# Allegro board WeChat_ZM_PART_20200601.brd (continued)
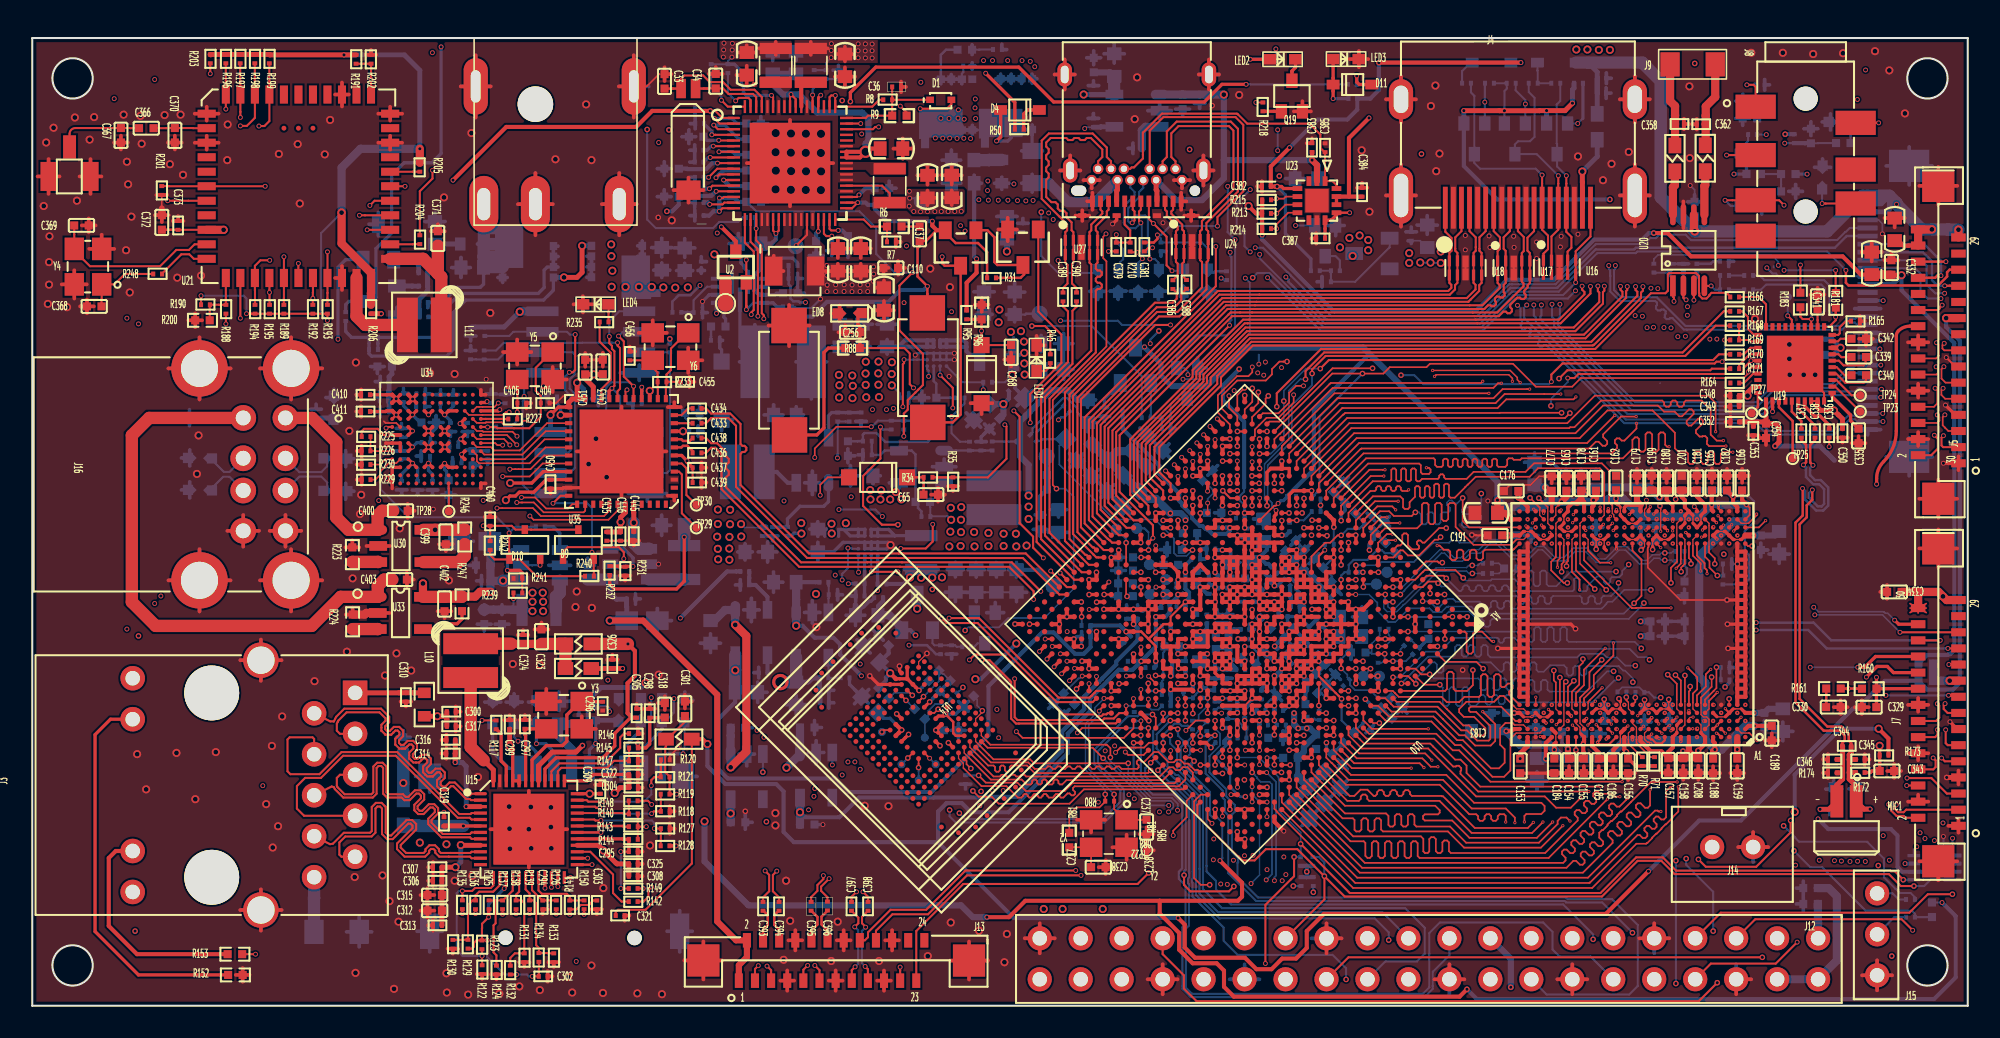
[diagram p0: board, top side]
## Routing (per net, layer and track width the routed paths; a pad name or vN(x,y) marks a point on that pad's centre or on a via; arc(x,y) is an arc through that point) (continued)
VCCA3V0_CODEC: length 114.4
  TOP w0.127: U1.14 v1(42.41,50.5)
  TOP w0.254: U19.1 107.49,36.53 107.49,36.53
  TOP w0.305: 106.71,36.2 107.39,36.2 C354.1 ; 106.71,36.2 C352.1 ; 106.71,36.2 C353.1 ; C354.1 108.08,36.1 108.31,35.87 108.31,34.96 v2(108.05,34.7) ; C354.1 107.49,36.53
  SIG1 w0.254: v2(50.22,56.12) 49.63,55.54 46.09,55.54 45.13,56.5 41.11,56.5 38.28,53.67 38.28,53.37 37.97,53.07 37.97,50.63 v2(39.34,49.26) ; v2(103.07,58.43) 104.55,56.95 104.55,48.9 105.54,47.91 105.54,37.22 v2(108.05,34.7)
  SIG2 w0.254: v2(103.07,58.43) 94.47,58.43 94.35,58.3 94.31,58.3 94.03,58.02 75.29,58.02 74.47,58.83 63.58,58.83 62.15,57.41 58.75,57.41 58.34,57.82 51.24,57.82 50.22,56.8 v2(50.22,56.12)
  BOTTOM w0.254: v2(39.34,49.26) 39.67,49.26 40.08,49.66 C22.1 40.59,50.17 40.63,50.21 42.01,50.21 42.02,50.22 42.11,50.22 42.39,50.5 v1(42.41,50.5)
  BOTTOM w0.305: v2(108.05,34.7) 110.83,34.7 111.25,34.29 111.26,34.29 111.73,33.81
VCCQ: length 14.5
  TOP w0.203: U35.33 31.68,33.12 30.97,32.41 v5(29.63,32.41)
  TOP w0.305: C435.1 36.47,29.38 C446.1 v5(36.47,29.99) 36.47,30.28 36.78,30.59 36.78,31.09 U35.43
  SIG2 w0.254: v5(36.47,29.99) 32.93,29.99 30.51,32.41 v5(29.63,32.41)
VDD1V0_RGMII: length 8.7
  TOP w0.305: 29.7,22.44 C324.1 31.04,22.44 31.04,22.43
  TOP w0.508: C323.1 29.71,22.43 29.69,22.45
  TOP w0.762: FB3.1 FB1.1 C323.1 ; 29.69,22.45 L10.2
VDD09: length 32
  TOP w0.127: R239.2 v1(29.83,25.24)
  TOP w0.152: U34.C10 23.32,33.39 v1(23.58,33.64) ; v1(23.58,33.64) 23.81,33.4 U34.C9 ; v1(23.58,33.64) 23.33,33.89 U34.D10
  TOP w0.203: U34.K9 23.57,36.64 v1(23.57,36.64) ; 23.57,35.64 U34.G10 ; 23.57,35.64 v1(23.57,35.64) ; 23.57,35.64 23.56,35.64 U34.H10 ; U34.K8 24.56,36.64 v1(24.57,36.64) 24.57,36.64 U34.K7 ; U34.E10 23.57,34.64 v1(23.57,34.64) 23.57,34.64 23.32,34.89 U34.F10 ; v1(23.57,36.64) 23.32,36.89 U34.K10 ; v1(23.57,36.64) 23.57,36.64 U34.J10 ; U34.K6 25.56,36.64 v1(25.57,36.64) U34.K5 U34.K4 ; U34.E3 26.82,34.38 v1(26.62,34.19) 26.62,34.08 U34.D3 ; U34.C8 24.31,33.39 24.56,33.64 v1(24.56,33.64) 24.61,33.59 24.61,33.59 U34.C7 ; v1(26.52,36.09) 26.52,36.09 ; 26.52,36.09 26.61,36.09 U34.H3 ; 26.52,36.09 U34.J3 ; U34.C6 25.32,33.39 25.56,33.63 v1(25.56,33.63) 25.58,33.61 25.59,33.61 U34.C5 U34.C4 ; v1(28.2,37.46) 28.14,37.4 27.83,37.4 U34.L1 ; v1(23.58,33.64) 23.57,33.64 ; U34.F3 v1(26.57,35.14) U34.G3
  BOTTOM w0.127: 29.95,24.55 29.83,24.67 v1(29.83,25.24) ; 30.34,24.58 30.36,24.56
  BOTTOM w0.203: C426.1 23.19,35.25 v1(23.57,35.64) ; C425.1 24.66,33.74 v1(24.56,33.64) 24.56,33.2 24.81,32.95 C431.1 ; C419.1 27.99,34.41 27.96,34.39 C417.1 27.23,34.46 26.89,34.46 v1(26.62,34.19) 26.62,33.67 C430.1 ; C427.1 23.89,33.32 v1(23.58,33.64) ; C406.1 28.45,37.39 28.28,37.39 v1(28.2,37.46) ; v1(23.58,33.64) 22.9,32.97 C432.1 ; v1(23.58,33.64) 23.31,33.91 22.91,33.91 C428.1 ; v1(25.57,36.64) 26.11,37.18 C421.1 ; v1(25.57,36.64) 25.92,36.28 C423.1 ; v1(25.57,36.64) 25.3,36.9 25.3,37.32 C420.1 ; v1(25.56,33.63) 25.56,33.25 25.69,33.13 25.69,32.7 C418.1 ; v1(23.57,34.64) 23.84,34.91 C407.1 ; C408.1 24.04,36.17 v1(23.57,36.64) 23.02,37.19 C429.1 ; C422.1 26.93,36.09 v1(26.52,36.09) ; v1(26.57,35.14) 26.41,34.98 C424.1
  BOTTOM w0.229: C459.1 28.02,24.86 ; C459.1 27.72,24.56 ; C459.1 28.02,24.26 ; 30.37,25.6 L13.2 30.77,24.55 ; 29.12,24.86 C458.1 29.12,24.26
  BOTTOM w0.508: L13.2 29.76,24.55 29.76,24.56 C458.1 28.62,24.56 28.62,24.56 C459.1
  BOTTOM w0.762: 30.36,24.56 L13.2 ; 28.02,24.56 C459.1
  vias: v5(31.01,25.61) v5(31.01,25.05) v5(31.01,24.47) v5(31.65,25.61) v5(31.67,25.05) v5(31.67,24.47)
VDD_CENTER: length 21.2
  TOP w0.127: L2.1 53.16,50.37 52.69,50.85 U1.39
  TOP w0.229: C8.1 57.01,50.55 ; C8.1 57.51,50.1 ; C8.1 57.01,49.65 ; C8.1 56.51,50.1 ; 55,50.09 C7.1 ; C7.1 55.5,50.54 ; C7.1 55.5,49.64 ; C7.1 56.01,50.09
  TOP w0.254: U10.M15 77.47,22.28 77.47,22.74 77.93,22.74 U10.M14 77.93,22.74 v2(77.93,23.2) 78.39,23.2 U10.M13 78.39,23.23 78.39,23.23 78.39,23.66 ; v2(78.85,24.12) U10.M11 79.34,24.12 79.77,24.12 ; v2(78.85,24.12) 78.85,23.66 U10.M12 78.56,23.66 78.39,23.66 ; v2(78.85,24.12) 78.85,24.57 U10.N11 78.85,24.55 78.85,24.55 ; v2(78.85,24.12) U10.N12 78.39,23.66 78.39,23.66 ; U10.P15 76.55,23.23 76.55,23.23 v2(76.55,23.66) 77.01,23.66 U10.P14 77.01,23.69 77.01,23.69 77.01,24.12 U10.P13 77.47,24.15 77.47,24.15
  BOTTOM w0.127: v1(54.4,50.07) 54.97,50.07 TP1.1
  BOTTOM w0.203: v2(77.93,23.2) 77.62,22.89 C126.1 ; C130.1 78.85,23.81 v2(78.85,24.12)
  BOTTOM w0.254: C128.1 77.17,22.15 v2(77.03,22.29) 77.24,22.5 77.24,22.51 77.47,22.74 ; C99.1 77.98,23.2 v2(77.93,23.2) ; C127.1 76.55,23.63 v2(76.55,23.66) ; 79.77,24.12 79.77,24.09 C129.1 C130.1 ; C125.1 60.85,47.96 C131.1
  BOTTOM w0.381: C125.1 v5(60.43,46.77)
  vias: v1(54.38,50.5) v1(54.37,49.58) v1(54.65,49.24) v1(55.07,49.23) v1(55.5,49.23) v1(55.96,49.24) v1(56.36,49.25) v1(56.78,49.24) v1(57.19,49.24) v1(57.6,49.25)
VDD_CPU_B: length 39.9
  TOP w0.254: U10.M22 74.41,19.06 74.41,19.06 v2(74.71,19.06) 75.17,19.06 ; U10.M21 74.71,19.52 v2(74.71,19.98) ; U10.M21 74.7,19.52 v2(74.28,19.52) U10.N22 ; U10.M21 74.71,19.52 v2(75.17,19.52) 75.17,19.07 75.17,19.06 ; v2(76.56,20) 76.56,20.44 U10.L18 76.54,20.45 v2(76.1,20.45) ; v2(76.56,20) 76.1,20 76.1,19.99 ; v2(76.56,20) 76.56,19.53 U10.K19 ; 75.17,19.06 U10.L21 ; v2(74.71,19.98) 74.71,20.28 74.71,20.29 U10.N20 74.71,20.44 75.17,20.44 ; v2(74.71,19.98) U10.M20 ; 75.17,20.44 75.17,19.98 U10.M20 ; 75.17,20.44 75.6,20.44 U10.M19 ; U10.M19 75.64,20.45 v2(76.1,20.45) ; U10.M19 75.63,20.44 75.63,20.9 76.06,20.9 U10.M18 76.1,20.89 v2(76.1,20.45) ; U10.M19 75.63,20.44 75.63,19.98 ; 75.63,19.98 75.17,19.98 U10.M20 ; 75.63,19.98 U10.L19 ; 76.09,19.98 U10.L19 ; U10.L19 76.1,19.99 ; v2(74.72,18.17) 74.67,18.17 74.65,18.14 U10.L23 ; v2(76.1,20.45) 76.1,19.99 ; 76.09,18.6 75.63,18.6 U10.K21 75.63,18.57 75.63,18.57 v2(75.63,18.14)
  BOTTOM w0.203: 78.78,15.69 78.78,16 78.85,16.06 ; C120.1 75.15,20.15 74.99,19.98 v2(74.71,19.98) ; C119.1 78.46,15.15
  BOTTOM w0.229: C47.1 60.28,27.03 ; C47.1 59.78,26.58 ; C47.1 59.78,27.49 ; C47.1 59.28,27.03 ; L5.2 56.17,27.04 ; L5.2 54.07,27.04 ; L5.2 55.12,26.64 ; 56.74,27.04 C39.1 ; C39.1 57.24,26.59 ; C39.1 57.74,27.04 ; C39.1 57.24,27.49 ; 58.53,26.58 C40.1 ; C40.1 58.53,27.48 ; C40.1 59.03,27.03 ; C40.1 58.03,27.03 ; C48.1 61.02,27.49 ; C48.1 61.02,26.58 ; C48.1 60.52,27.03
  BOTTOM w0.254: v5(54.42,26.55) 54.02,26.15 R13.2 ; v2(75.63,18.14) 75.75,18.14 C124.1 ; v2(74.28,19.52) 73.98,19.52 73.94,19.56 C122.1 ; C121.1 75.05,19.02 75.01,19.06 v2(74.71,19.06) 74.71,18.76 74.72,18.76 v2(74.72,18.17) ; C123.1 76.21,19.65 v2(76.56,20) ; C48.1 62.3,27.03 TP4.1 ; v2(78.49,17.2) v2(79.02,17.2)
  BOTTOM w0.305: 78.46,15.15 78.46,14.23 78.67,14.02
  BOTTOM w0.381: v2(78.49,17.2) 78.23,17.46 v2(78.23,17.66) v2(78.23,18.14) ; v2(79.02,17.2) 79.22,17.2 C96.1 78.85,16.06 78.85,15.76 C119.1
  BOTTOM w0.508: C118.1 C116.1 ; C116.1 78.67,14.02 78.46,14.23 ; C116.1 C117.1 ; C119.1 78.46,15.5
  vias: v5(55.11,26.54) v5(55.8,26.55) v5(56.4,26.56) v5(56.86,28.48) v5(57.56,28.5) v5(58.42,28.48) v5(59.28,28.5) v5(60.22,28.5) v5(61.01,28.48) v5(61.65,28.53)
VDD_CPU_B_FB: length 37.7
  TOP w0.254: v2(75.63,21.78) 75.63,21.36 U10.N18
  SIG1 w0.102: v1(51.33,21.19) 51.21,21.32 51.21,24.54 v1(52.41,25.74)
  SIG2 w0.102: v1(51.33,21.19) 51.47,21.19 51.54,21.12 51.78,21.12 52.02,21.37 54.2,21.37 54.84,20.73 58.93,20.73 59.87,19.79 59.87,19.49 60.12,19.23 65.3,19.23 66.88,20.81 69.74,20.81 70,20.55 70,19.44 70.7,18.74 71.15,18.74 71.32,18.9 71.37,18.9 71.37,18.9 71.62,18.9 71.86,18.66 72.05,18.66 72.29,18.9 72.54,18.9 72.78,18.66 73.11,18.66 73.49,19.03 73.49,20.1 73.57,20.18 73.57,20.21 75.14,21.78 v2(75.63,21.78)
  BOTTOM w0.127: R13.1 v1(52.41,25.74)
  BOTTOM w0.203: R13.1 52.41,27.58 52.42,27.58 U3.A4
VDD_CPU_L: length 20.4
  TOP w0.127: 49.3,44.59 49.31,44.59 49.31,44.59 ; v1(47.36,47.13) 48.03,47.8 U1.29
  TOP w0.203: 49.45,45.55 49.22,45.55 49.22,45.55 L1.1
  TOP w0.229: 52.31,44.52 C109.1 52.81,44.97 ; 52.78,45.45 C110.1 ; C110.1 52.48,45.75 ; C110.1 53.08,45.75 ; C4.1 51.37,46 ; C4.1 51.87,45.55 ; C4.1 51.37,45.1 ; C4.1 50.87,45.55 ; C5.1 49.95,46 ; C5.1 49.95,45.1 ; C5.1 50.45,45.55 ; C5.1 49.45,45.55
  TOP w0.254: U10.R20 73.79,21.39 73.79,21.39 73.79,21.82 ; U10.R20 74.25,21.36 ; U10.R20 73.79,21.36 v2(73.79,20.9) 74.25,20.9 U10.P20 74.25,21.36 ; U10.R20 73.79,21.36 v2(73.33,21.36) 73.33,21.74 73.33,21.74 U10.T20 ; 73.79,21.82 U10.R19 74.25,21.36 ; 73.79,21.82 73.36,21.82 73.36,21.82 ; 74.25,21.36 v2(74.26,21.36) ; U10.T22 v2(72.41,20.45) 72.86,20.45 U10.R22 72.86,20.43 72.86,19.98 U10.P22 73.33,19.98
  BOTTOM w0.254: v2(73.79,20.9) 73.84,20.85 C115.1 74.34,20.85 74.36,20.83 C112.1 ; v2(73.79,20.9) 73.49,20.9 73.44,20.85 C111.1 ; v2(73.79,20.9) 74.06,20.9 74.06,20.9 ; C114.1 74.34,21.44 v2(74.26,21.36) 74.26,21.28 74.63,20.9 ; 73.33,21.08 73.33,21.36 v2(73.33,21.36) ; v5(60.21,37.3) 60.55,37.65 60.55,38.1 C113.1
  BOTTOM w0.381: C95.1 60.21,36.65 v5(60.21,37.3) C108.1
  vias: v1(49.26,45.89) v1(49.26,45.28) v1(49.29,44.69) v1(49.28,44.28) v1(49.81,44.7) v1(49.81,44.29) v1(50.34,44.7) v1(50.33,44.29) v1(50.66,45.81) v1(50.66,45.32) v1(50.83,44.69) v1(50.82,44.28) v1(51.33,44.7) v1(51.32,44.29) v1(51.8,44.69) v1(51.8,44.28) v1(52.16,45.81) v1(52.17,45.37) v1(52.16,44.91)
VDD_DDR0_CLK: length 5.1
  TOP w0.102: U10.M7 v2(81.15,26.41)
  BOTTOM w0.127: R75.2 83.86,28.06 83.67,28.25 83.39,28.25 82.79,27.65 81.93,27.65 81.61,27.34 C213.1 81.36,26.88 81.15,26.67 v2(81.15,26.41)
VDD_DDR1_CLK: length 4.6
  TOP w0.127: U10.G12 v2(81.15,20.91)
  BOTTOM w0.102: v2(81.15,20.91) 81.54,20.53 81.54,20.36 C211.1 81.7,20.2 81.7,19.89 82.02,19.56 82.96,19.56 83.4,19.12 R74.2
VDD_GPU: length 51.5
  TOP w0.254: v2(74.71,25.5) 74.28,25.5 U10.W15 ; v2(74.71,25.5) 74.71,25.95 U10.W14 ; v2(74.71,25.5) 75.17,25.5 U10.V14 ; v2(74.71,25.5) 74.71,25.04 U10.V15 v2(74.25,25.04) ; v2(74.25,25.04) 74.25,25.5 ; v2(74.25,25.04) 74.25,24.61 74.25,24.61 U10.V16 ; v2(74.25,25.04) U10.W16 73.78,25.05 v2(73.78,25.5) 74.25,25.5 ; U10.T13 v2(76.09,25.04) ; U10.T13 76.55,25.04 v2(77.01,25.04) ; U10.T13 76.55,25.04 v2(76.55,24.58) ; v2(76.09,25.04) 76.09,25.47 76.09,25.47 U10.U13 ; v2(76.09,25.04) 76.09,24.61 76.09,24.61 U10.T14 76.12,24.58 v2(76.55,24.58) ; U10.W14 74.74,25.96 v2(75.17,25.96) ; U10.W14 v2(74.25,25.96) 74.25,25.53 74.25,25.53 U10.W15 ; 74.25,25.5 U10.W15 ; v2(75.17,25.96) 75.17,25.53 75.17,25.53 U10.V14 ; v2(75.17,25.96) U10.V13 ; U10.V14 75.2,25.5 v2(75.63,25.5) ; U10.W11 U10.V12 ; U10.W11 76.09,27.34 v2(76.09,27.79) 76.52,27.79 76.52,27.8 U10.W10 76.55,27.8 ; U10.W11 76.06,27.34 v2(75.63,27.34) 75.63,26.88 U10.W12 ; U10.V12 76.09,26.41 76.09,25.96 ; U10.V12 v2(75.63,26.42) ; v2(76.55,24.58) 77.01,24.58 U10.R13 ; v2(75.63,25.5) 75.63,25.95 U10.V13 ; v2(75.63,25.5) 76.09,25.5 U10.U13 ; U10.W12 U10.V11 ; U10.W12 75.63,26.85 75.63,26.84 v2(75.63,26.42) ; v1(77.47,25.5) U10.T12 77.01,25.5 v2(76.55,25.5) 76.12,25.5 U10.U13 ; v1(77.47,25.5) U10.T11 ; v1(77.47,25.5) U10.R11 ; v1(77.47,25.5) U10.R12 ; U10.V13 75.63,25.99 75.63,25.99 v2(75.63,26.42) ; U10.V13 75.66,25.96 76.09,25.96 ; U10.U13 76.09,25.5 76.09,25.96 ; U10.R12 77.47,25.03 v2(77.47,24.57) 77.46,24.57 77.45,24.58 U10.R13 ; U10.R12 77.47,25.04 v2(77.01,25.04) ; U10.R13 77.01,24.58 v2(77.01,25.04)
  BOTTOM w0.127: R33.2 60.31,38.66 v5(60.76,39.1)
  BOTTOM w0.152: TP6.1 61.62,42.91 61.56,42.85 C64.1
  BOTTOM w0.203: C135.1 76.41,25.5 v2(76.55,25.5)
  BOTTOM w0.229: 60.91,42.4 C64.1 ; C64.1 60.91,43.3 ; C64.1 60.41,42.85 ; 62.55,38.95 C68.1 ; C68.1 62.1,39.45 ; C68.1 62.55,39.95 ; C67.1 62.55,41.56 ; C67.1 62.1,41.06 ; C67.1 62.55,40.56 ; 60.44,40.36 L8.2 ; L8.2 61.24,40.36 ; L8.2 60.84,41.41 ; L8.2 60.84,39.31 ; 58.51,42.87 C63.1 ; C63.1 59.51,42.87 ; C63.1 59.01,42.42 ; C63.1 59.01,43.32
  BOTTOM w0.254: C136.1 76.64,27.39 76.49,27.39 v2(76.09,27.79) 76.55,28.25 76.55,28.57 C133.1 ; C98.1 75.27,26.42 v2(75.63,26.42) ; C140.1 78.03,25.03 C141.1 77.99,25.39 ; 77.99,25.39 77.88,25.5 v1(77.47,25.5) ; 77.99,25.39 C142.1 ; C138.1 75.78,25.05 75.79,25.04 v2(76.09,25.04) ; C139.1 77.27,24.37 v2(77.47,24.57)
  BOTTOM w0.381: v2(70.56,30.54) 71.21,30.54 71.5,30.25 v2(71.5,30.1)
  BOTTOM w0.508: C147.1 65.75,34.76 C145.1 ; C147.1 67.25,34.38 C144.1 C146.1 ; C147.1 66.71,33.82 C132.1 68.59,31.95 C143.1 69.09,31.42 69.68,31.42 v2(70.56,30.54)
  vias: v5(59.92,42.38) v5(59.96,43.16) v5(60.67,41.78) v5(61.3,41.83) v5(61.49,41.18) v5(61.51,40.48) v5(61.51,39.82) v5(61.53,39.13)
VDD_GPU_FB: length 35.3
  TOP w0.254: v2(75.63,24.56) 75.63,24.12 U10.T15
  SIG1 w0.127: v1(58.96,38.19) 58.82,38.05 58.82,26.73 61.32,24.24 61.32,23.7 61.44,23.58 61.47,23.58 61.7,23.35 62.02,23.35 62.65,23.97 63.81,23.97 64.18,23.6 67.28,23.6 67.77,24.08 68.2,24.08 68.38,24.26 68.41,24.26 68.59,24.45 68.59,24.48 69.47,25.35 69.78,25.35 70.46,24.67 71.57,24.67 71.79,24.89 72.08,24.89 72.25,24.72 74.12,24.72 74.12,24.72 74.38,24.72 74.4,24.74 75.45,24.74 v2(75.63,24.56)
  BOTTOM w0.127: v1(58.96,38.19) R33.1 57.68,38.66 U8.A4
VDD_LOG: length 29.1
  TOP w0.254: U10.U17 74.24,23.65 74.24,23.2 ; U10.U17 73.79,23.66 ; U10.U17 74.28,23.66 ; 74.71,23.2 U10.T17 74.24,23.2 ; 73.79,23.66 U10.U18 ; 73.79,23.66 U10.V18 73.35,23.64 v2(73.35,23.2) ; U10.V21 U10.U20 U10.V19 ; U10.V21 v2(71.49,22.28) ; U10.V21 71.96,22.28 v2(71.96,22.74) ; U10.U18 v2(73.35,23.2) ; U10.U18 74.24,23.2 ; v2(73.35,23.2) U10.V19 ; v2(71.96,22.74) 71.96,23.2 U10.W20 71.98,23.2 v2(72.41,23.2) U10.V19 ; v2(71.96,22.74) U10.V20 72.41,22.74 ; v2(71.03,21.82) U10.V22 ; U10.V19 72.87,23.2 ; U10.L17 77.01,20.9 v2(76.55,20.9) 76.55,21.33 76.55,21.33 U10.M17
  SIG1 w0.152: v2(73.35,23.2) 75.01,23.2 75.16,23.05 75.16,22.75 75.96,21.95 75.96,21.49 v2(76.55,20.9)
  BOTTOM w0.127: C57.1 55.66,30.93 55.68,30.91 R22.1 55.69,30.35 56.75,30.35 v5(56.97,30.13)
  BOTTOM w0.203: C106.1 76.57,20.88 v2(76.55,20.9)
  BOTTOM w0.229: 63.13,30.75 C54.1 ; C54.1 63.63,30.3 ; C54.1 64.13,30.75 ; C55.1 62.78,30.43 ; C55.1 62.48,30.13 ; C55.1 62.48,30.74 ; C55.1 62.18,30.43
  BOTTOM w0.254: TP5.1 62.89,33.29 62.9,33.28 R19.1 R19.2 62.48,31.59 62.48,30.74 ; C103.1 73.84,23.71 73.79,23.66 ; v2(71.49,22.28) 71.1,22.28 C97.1 71.03,22.22 v2(71.03,21.82) ; 73.79,23.66 73.74,23.71 C104.1 73.35,23.6 v2(73.35,23.2) ; 73.79,23.66 74.17,23.28 C101.1 74.49,23.34 C105.1 ; v2(71.96,22.74) 72.36,22.74 C100.1 72.41,22.77 v2(72.41,23.2) 72.64,23.2 72.82,23.38 C107.1
  vias: v5(56.95,30.87) v5(56.92,29.39) v5(57.6,30.92) v5(57.58,30.13) v5(57.58,29.37) v5(58.39,29.37) v5(59.28,29.32) v5(60.22,29.27) v5(60.99,29.27) v5(61.77,30.94) v5(61.77,30.18)
ADKEY_IN: length 31.1
  TOP w0.102: U10.AH26 v2(65.06,24.12)
  TOP w0.127: v1(60.86,36.89) 61.21,36.53 61.21,29.93 62.05,29.09 62.05,28.4 v1(62.69,27.77) ; R88.1 54.07,40.78 54.41,40.44 54.41,38.54 v1(54.64,38.31)
  TOP w0.203: ED8.1 51.19,42.83 51.19,42.23 51.31,42.11 C256.1 51.31,41.41 R88.1
  SIG1 w0.127: v1(62.69,27.77) 63.32,27.77 64.39,26.7 64.39,24.79 v2(65.06,24.12)
  SIG2 w0.127: v1(60.86,36.89) 60.86,37.44 60.4,37.9 58.84,37.9 58.03,38.71 55.04,38.71 v1(54.64,38.31)
  BOTTOM w0.127: v2(65.06,24.12) 65.06,23.58 R87.1
AP-WAKE-BT: length 74.9
  TOP w0.127: R201.2 8.46,50.82 8.47,50.81 U21.6 v1(14.44,50.81)
  TOP w0.203: v1(73.48,36.39) 73.52,36.35 73.52,36.35 U10.AL4
  SIG2 w0.127: v1(14.44,50.81) 14.44,47.95 15.04,47.36 23.65,47.36 27.31,43.7 31.19,43.7 31.97,42.91 40.15,42.91 47.55,35.51 51.21,35.51 51.94,34.78 68.41,34.78 70.02,36.39 v1(73.48,36.39)
BT-PCM-CLK: length 100.9
  TOP w0.127: v1(20.28,49.01) 20.63,49.01 U21.26 ; U10.AF3 76.55,34.23 v2(76.09,34.23) ; R170.1 104.57,40.39 104.22,40.04 80.39,40.04 v2(79.86,39.5)
  TOP w0.203: v2(76.09,34.23) 76.09,34.23
  SIG2 w0.127: v1(20.28,49.01) 20.28,47.86 20.56,47.59 23.83,47.59 27.5,43.92 31.34,43.92 32.07,43.19 40.3,43.19 47.7,35.79 51.31,35.79 52.09,35.01 68.32,35.01 70.04,36.73 77.19,36.73 77.59,37.14 v2(77.59,37.49)
  BOTTOM w0.102: v2(79.86,39.5) 78.97,39.5 77.59,38.13 v2(77.59,37.49) 77.59,35.04 76.78,34.23 v2(76.09,34.23)
BT-PCM-DIN: length 105.3
  TOP w0.127: v2(78.94,38.84) 78.94,39.35 79.13,39.54 80.1,40.51 102.32,40.51 104.87,43.06 R167.1 ; U21.27 21.22,49.91 v1(20.93,49.62) ; U10.AC6 v2(76.55,31)
  SIG2 w0.127: v2(78.94,38.84) 78.71,38.84 77.77,37.9 77.47,37.9 77.16,37.6 77.16,37.59 76.85,37.28 76.85,37.28 76.77,37.2 69.69,37.2 67.95,35.46 55.53,35.46 55,36 52.88,36 52.59,36.29 48.04,36.29 40.63,43.7 32.54,43.7 31.83,44.42 27.98,44.42 23.96,48.43 21.06,48.43 20.93,48.56 v1(20.93,49.62)
  BOTTOM w0.102: v2(76.55,31) 76.55,31.22 76.4,31.37 76.4,33.58 77.9,35.08 77.9,38.13 78.61,38.84 v2(78.94,38.84)
BT-PCM-DOUT: length 105.7
  TOP w0.127: v2(77.16,37.15) 77.16,37.97 79.91,40.72 96.9,40.72 100.36,44.18 101.25,44.18 101.41,44.33 101.41,45.35 101.49,45.43 103.15,45.43 103.34,45.25 103.34,44.2 103.36,44.18 103.36,44.04 103.54,43.85 103.8,43.85 103.99,44.04 103.99,44.07 104.11,44.2 105.02,44.2 105.08,44.14 105.1,44.14 105.27,43.97 R166.1 ; U21.25 21.11,48.11 21.1,48.11 v1(20.76,48.11) ; v2(75.63,31.93) 75.87,31.93 75.87,31.93 U10.AD6
  TOP w0.203: 75.63,31.93 v2(75.63,31.93)
  SIG1 w0.102: v2(75.63,31.93) 75.22,32.34 75.22,36.43 76.1,37.3 77,37.3 v2(77.16,37.15)
  SIG2 w0.127: v1(20.76,48.11) 23.81,48.11 27.73,44.18 31.59,44.18 32.29,43.48 40.4,43.48 47.83,36.05 51.38,36.05 51.83,35.59 53.91,35.59 53.92,35.6 54.16,35.6 54.16,35.59 54.99,35.59 55.34,35.24 68.13,35.24 69.75,36.86 69.86,36.86 69.98,36.98 76.99,36.98 v2(77.16,37.15)
BT-PCM-SYNC: length 103.3
  TOP w0.127: v2(79.35,39.2) 79.35,39.45 80.19,40.29 102.49,40.29 104.37,42.17 R168.1 ; v1(23.11,50.81) 23.11,50.81 U21.28
  TOP w0.203: 77.11,30.74 v1(77.11,30.71) 77.11,30.46 77.01,30.36 U10.AA7
  SIG2 w0.127: v2(79.35,39.2) 78.74,39.2 77.66,38.12 77.38,38.12 76.95,37.69 76.95,37.68 76.76,37.5 76.76,37.5 76.68,37.42 69.6,37.42 69.5,37.32 69.35,37.32 67.73,35.69 55.61,35.69 55.09,36.21 52.97,36.21 52.68,36.51 48.23,36.51 40.75,43.99 32.71,43.99 32.04,44.66 28.29,44.66 23.11,49.84 v1(23.11,50.81)
  BOTTOM w0.102: v1(77.11,30.71) 76.86,30.97 76.86,31.18 76.59,31.45 76.59,33.51 78.09,35 78.09,37.23 79.35,38.49 v2(79.35,39.2)
BT-REG-ON: length 117.1
  TOP w0.127: v1(67.82,18.6) U10.V30 67.39,18.14 67.06,17.81 66.46,17.81 66.37,17.71 61.08,17.71 60.91,17.89 v1(60.91,20.27) ; R191.1 20.57,58.41 20.58,58.41 R202.2 21.01,58.09 21,58.09 v1(21,57.43) 21,57.34 21,56.5 U21.34
  SIG1 w0.127: v1(7.59,57.43) v1(7.59,24.94)
  SIG2 w0.127: v1(60.91,20.27) 60.91,20.73 59.77,21.87 59.05,21.87 58.43,22.5 55.21,22.5 54.72,22.01 35.22,22.01 33.51,23.72 8.81,23.72 v1(7.59,24.94) ; v1(21,57.43) v1(7.59,57.43)
  BOTTOM w0.102: v1(67.82,18.6) 69.14,18.6 69.38,18.36 69.82,18.36 70.03,18.57 R99.1
BT-UART-CTS: length 80.1
  TOP w0.127: v1(14.05,54.54) 14.39,54.54 14.7,54.85 U21.41 14.7,57.34 14.7,57.34 R199.1
  TOP w0.203: v2(73.79,32.85) 73.79,32.85 U10.AG8
  SIG2 w0.102: v1(14.05,54.54) 13.75,54.24 13.75,45 14.01,44.73 23.8,44.73 27.98,40.55 39.97,40.55 47.12,33.41 69.34,33.41 69.81,33.88 70.97,33.88 71.26,33.59 71.63,33.59 71.77,33.45 72.11,33.45 72.32,33.66 72.55,33.66 73.21,33.01 73.63,33.01 v2(73.79,32.85)
BT-UART-RTS: length 79
  TOP w0.127: R196.1 12,57.34 12,57.34 U21.44 v1(12,55.6)
  TOP w0.203: v1(73.02,35.92) 73.05,35.89 73.06,35.89 U10.AL5
  SIG2 w0.127: v1(73.02,35.92) 72.78,36.16 70.11,36.16 68.51,34.55 51.79,34.55 51.1,35.24 47.42,35.24 39.99,42.67 31.78,42.67 31.02,43.43 27.12,43.43 23.47,47.09 14.94,47.09 14.11,47.92 14.11,53.97 14.73,54.6 14.73,55.31 14.45,55.6 v1(12,55.6)
BT-UART-RX: length 83
  TOP w0.127: v1(12.9,54.55) 13.3,54.55 13.8,55.05 U21.42 13.8,57.34 13.8,57.34 R198.1
  TOP w0.203: v2(74.71,31.01) 74.31,31.01 74.31,31.01 U10.AE9
  SIG2 w0.102: v1(12.9,54.55) 12.9,43.95 13.37,43.48 23.34,43.48 27.24,39.58 27.31,39.58 27.32,39.57 39.05,39.57 46.13,32.49 68.99,32.49 69.67,31.81 71.63,31.81 72.73,30.71 72.74,30.71 72.82,30.64 73.86,30.64 74.24,31.01 v2(74.71,31.01)
BT-UART-TX: length 79.7
  TOP w0.127: R197.1 12.89,57.35 12.9,57.34 U21.43 12.9,55.42 v1(12.9,55.08)
  TOP w0.203: U10.AH8 73.33,32.39 v2(73.33,32.39)
  SIG2 w0.102: v1(12.9,55.08) 13.38,54.6 13.38,44.68 14.22,43.84 16.45,43.84 16.77,44.15 23.48,44.15 27.6,40.04 39.52,40.04 46.61,32.95 69.37,32.95 69.8,32.52 72.97,32.52 73.09,32.39 v2(73.33,32.39)
BT-WAKE-AP: length 91.7
  TOP w0.127: U21.7 9.68,49.91 8.74,49.91 8.74,49.91 v1(8.39,49.91)
  TOP w0.203: U10.AA25 v1(68.74,22.24)
  SIG1 w0.127: v1(7.97,25.4) 7.97,49.49 v1(8.39,49.91)
  SIG2 w0.102: 68.05,22.23 68.05,22.24 v1(68.74,22.24) ; 68.05,22.23 67.48,21.67 65.08,21.67 64.62,22.13 63.53,22.13 63.37,21.98 62.87,21.98 61.91,22.93 60.49,22.93 59.9,23.53 58.01,23.53 57.96,23.57 57.71,23.57 57.66,23.53 53.45,23.53 52.14,22.22 37.54,22.22 37,22.75 36.86,22.75 36.5,22.4 36.36,22.4 34.73,24.02 9.36,24.02 v1(7.97,25.4) ; 68.05,22.23 68.17,22.23
CHG_CC_INT: length 78.4
  TOP w0.102: R215.2 77.07,49.97 v1(77.14,50.04) 77.6,50.04 77.72,50.17 U23.5 ; U10.R26 v1(71.04,19.01)
  SIG1 w0.102: v1(57.56,48.37) 57.56,48.17 57.56,48.16 57.56,47.92 57.72,47.76 57.84,47.76 58.08,47.53 58.08,35.16 56.11,33.19 56.11,28.32 60.2,24.23 60.2,24.06 60.2,21.95 60.36,21.78 60.36,15.49 59.54,14.66 v1(59.54,13.34) ; v1(68.33,12.83) 68.48,12.98 68.48,13.31 68.39,13.4 68.39,15.84 69.77,17.22 69.77,18.39 70.13,18.75 70.77,18.75 v1(71.04,19.01)
  SIG2 w0.102: v1(68.33,12.83) 68.33,13.31 67.92,13.72 59.92,13.72 v1(59.54,13.34) ; v1(77.14,50.04) 76.21,49.12 65.35,49.12 64.16,47.92 58.34,47.92 57.9,48.37 v1(57.56,48.37)
CLK125: length 3.5
  TOP w0.203: U15.46 29.39,14.86 29.07,15.18 29.07,16.85 28.78,17.14 R117.1
CPU_B_SLEEP: length 38.5
  TOP w0.102: U10.M27 v2(71.96,16.29)
  SIG1 w0.102: 50.47,25.46 50.47,15.42 50.57,15.32 v1(50.57,15.12)
  SIG1 w0.127: v1(51.23,26.88) 51.23,26.22 50.47,25.46
  SIG2 w0.102: v2(71.96,16.29) 71.54,16.29 71.22,15.97 71.22,15.56 71.06,15.4 70.03,15.4 69.64,15.79 69.39,15.79 69.06,15.79 68.66,15.38 68.66,14.78 68.63,14.75 68.63,14.75 68.23,14.35 65.87,14.35 65.76,14.46 65.09,15.13 58.25,15.13 58.25,15.13 58.13,15.13 56.54,13.54 56.22,13.54 51.94,13.54 50.57,14.92 v1(50.57,15.12)
  BOTTOM w0.127: U3.A1 51.22,26.89 v1(51.23,26.88)
CSI_EN_CTP_RST: length 55.1
  TOP w0.102: v1(78.21,37.88) 78.21,37.4 77.26,36.45 76.53,36.45 75.8,35.73 75.8,35.32 U10.AH3
  TOP w0.203: J7.26 115.72,23.66 v1(115.47,23.91)
  SIG2 w0.102: v1(110.45,24.71) 110.07,25.09 110.07,27.16 110.06,27.18 110.06,28.4 110.06,29.36 110.06,30.78 107.92,32.92 106.78,34.05 105.72,34.05 104.19,34.05 96.83,41.42 94.59,41.42 82.23,41.42 78.69,37.88 v1(78.21,37.88)
  BOTTOM w0.102: v1(110.45,24.71) 110.73,24.43 114.8,24.43 114.88,24.34 115.04,24.34 v1(115.47,23.91)
CSI_EN_H: length 101.1
  TOP w0.102: U10.R28 v2(70.12,18.13)
  TOP w0.152: J5.26 v1(118.65,46.13)
  SIG1 w0.102: v2(70.12,18.13) 69.96,17.97 69.96,17.14 68.58,15.76 68.58,13.48 68.85,13.21 68.85,11.47 68.88,11.43 68.88,7.78 70.26,6.41 70.32,6.41 70.33,6.39 71.68,6.39 72.37,5.69 80.01,5.69 80.52,6.2 109.59,6.2 109.6,6.22 110.7,6.22 110.73,6.25 110.96,6.25 v1(113.65,8.94)
  SIG1 w0.127: v1(115.14,9.02) 115.14,11.49 115.87,12.22 115.87,14.51 116.15,14.79 116.15,44.91 117.38,46.13 v1(118.65,46.13)
  SIG2 w0.102: v1(115.14,9.02) 113.93,9.02 113.85,8.94 v1(113.65,8.94)
CSI_RST_C: length 98.4
  TOP w0.102: U10.P25 v2(71.96,18.12)
  TOP w0.127: J5.20 118.16,43.13 118.26,43.24 118.26,43.29 v1(118.41,43.44)
  SIG1 w0.102: v1(113.17,8.96) 110.62,6.41 109.53,6.41 109.51,6.39 80.44,6.39 79.93,5.89 72.45,5.89 71.75,6.58 70.41,6.58 69.53,7.46 69.53,11.33 69.23,11.63 69.23,13.06 69.23,13.37 68.96,13.64 68.96,15.59 71.48,18.12 v2(71.96,18.12)
  SIG1 w0.127: v1(117.35,10.37) 117.35,42.37 v1(118.41,43.44)
  SIG2 w0.102: v1(117.35,10.37) 116.05,10.37 115.14,9.45 113.67,9.45 v1(113.17,8.96)
CSI_RST_H: length 76.7
  TOP w0.102: U10.U28 v1(69.2,19.01)
  TOP w0.203: J7.20 115.39,20.66 115.01,21.04 114.38,21.04 v1(113.72,20.38)
  SIG1 w0.102: v1(113.72,20.38) 114.4,19.69 114.4,17.63 114.1,17.33 114.1,17.02 114.4,16.72 114.4,16.52 114.16,16.28 114.16,15.96 114.4,15.72 114.4,9.15 111.33,6.08 111.05,6.08 111.04,6.06 110.81,6.06 110.77,6.03 109.68,6.03 109.67,6.01 80.6,6.01 80.09,5.5 72.29,5.5 71.62,6.18 70.18,6.18 68.66,7.7 68.66,12.02 67.41,13.26 67.41,15.49 67.46,15.54 67.46,16.42 68.27,17.22 68.27,17.86 69.2,18.78 v1(69.2,19.01)
CTP1_INT: length 58.4
  TOP w0.127: U10.AJ3 v2(74.72,35.61) ; v1(115.8,23.16) J7.25
  SIG2 w0.127: v1(110.52,24.24) 110.35,24.4 110.34,24.4 109.87,24.88 109.87,27.08 109.86,27.09 109.86,28.49 109.86,29.44 109.86,30.7 107.71,32.84 107.71,32.84 106.7,33.85 105.81,33.85 104.11,33.85 96.75,41.21 94.67,41.21 82.41,41.21 82.15,40.96 77.55,36.35 75.46,36.35 v2(74.72,35.61)
  BOTTOM w0.102: v1(110.52,24.24) 114.72,24.24 v1(115.8,23.16)
DC_DET_H: length 96.5
  TOP w0.127: v2(71.04,16.3) U10.M29
  SIG1 w0.203: v1(14.29,13.64) 14.29,18.48 18.95,23.14 v1(18.95,41.32)
  SIG2 w0.127: v2(71.04,16.3) 70.57,16.3 70.26,16.61 69.06,16.61 67.89,15.44 67.89,15.44 67.38,14.94 66.11,14.94 65.33,15.72 64.84,15.72 58.01,15.72 58.01,15.72 57.89,15.72 56.3,14.13 53.08,14.13 51.79,15.42 46.28,15.42 46.08,15.22 28.02,15.22 27.51,15.73 19.67,15.73 19.57,15.63
  SIG2 w0.203: v1(14.29,13.64) 15.13,13.64 15.68,14.19 18.13,14.19 19.57,15.63